# Allegro board LAY-38820_A.brd (continued)
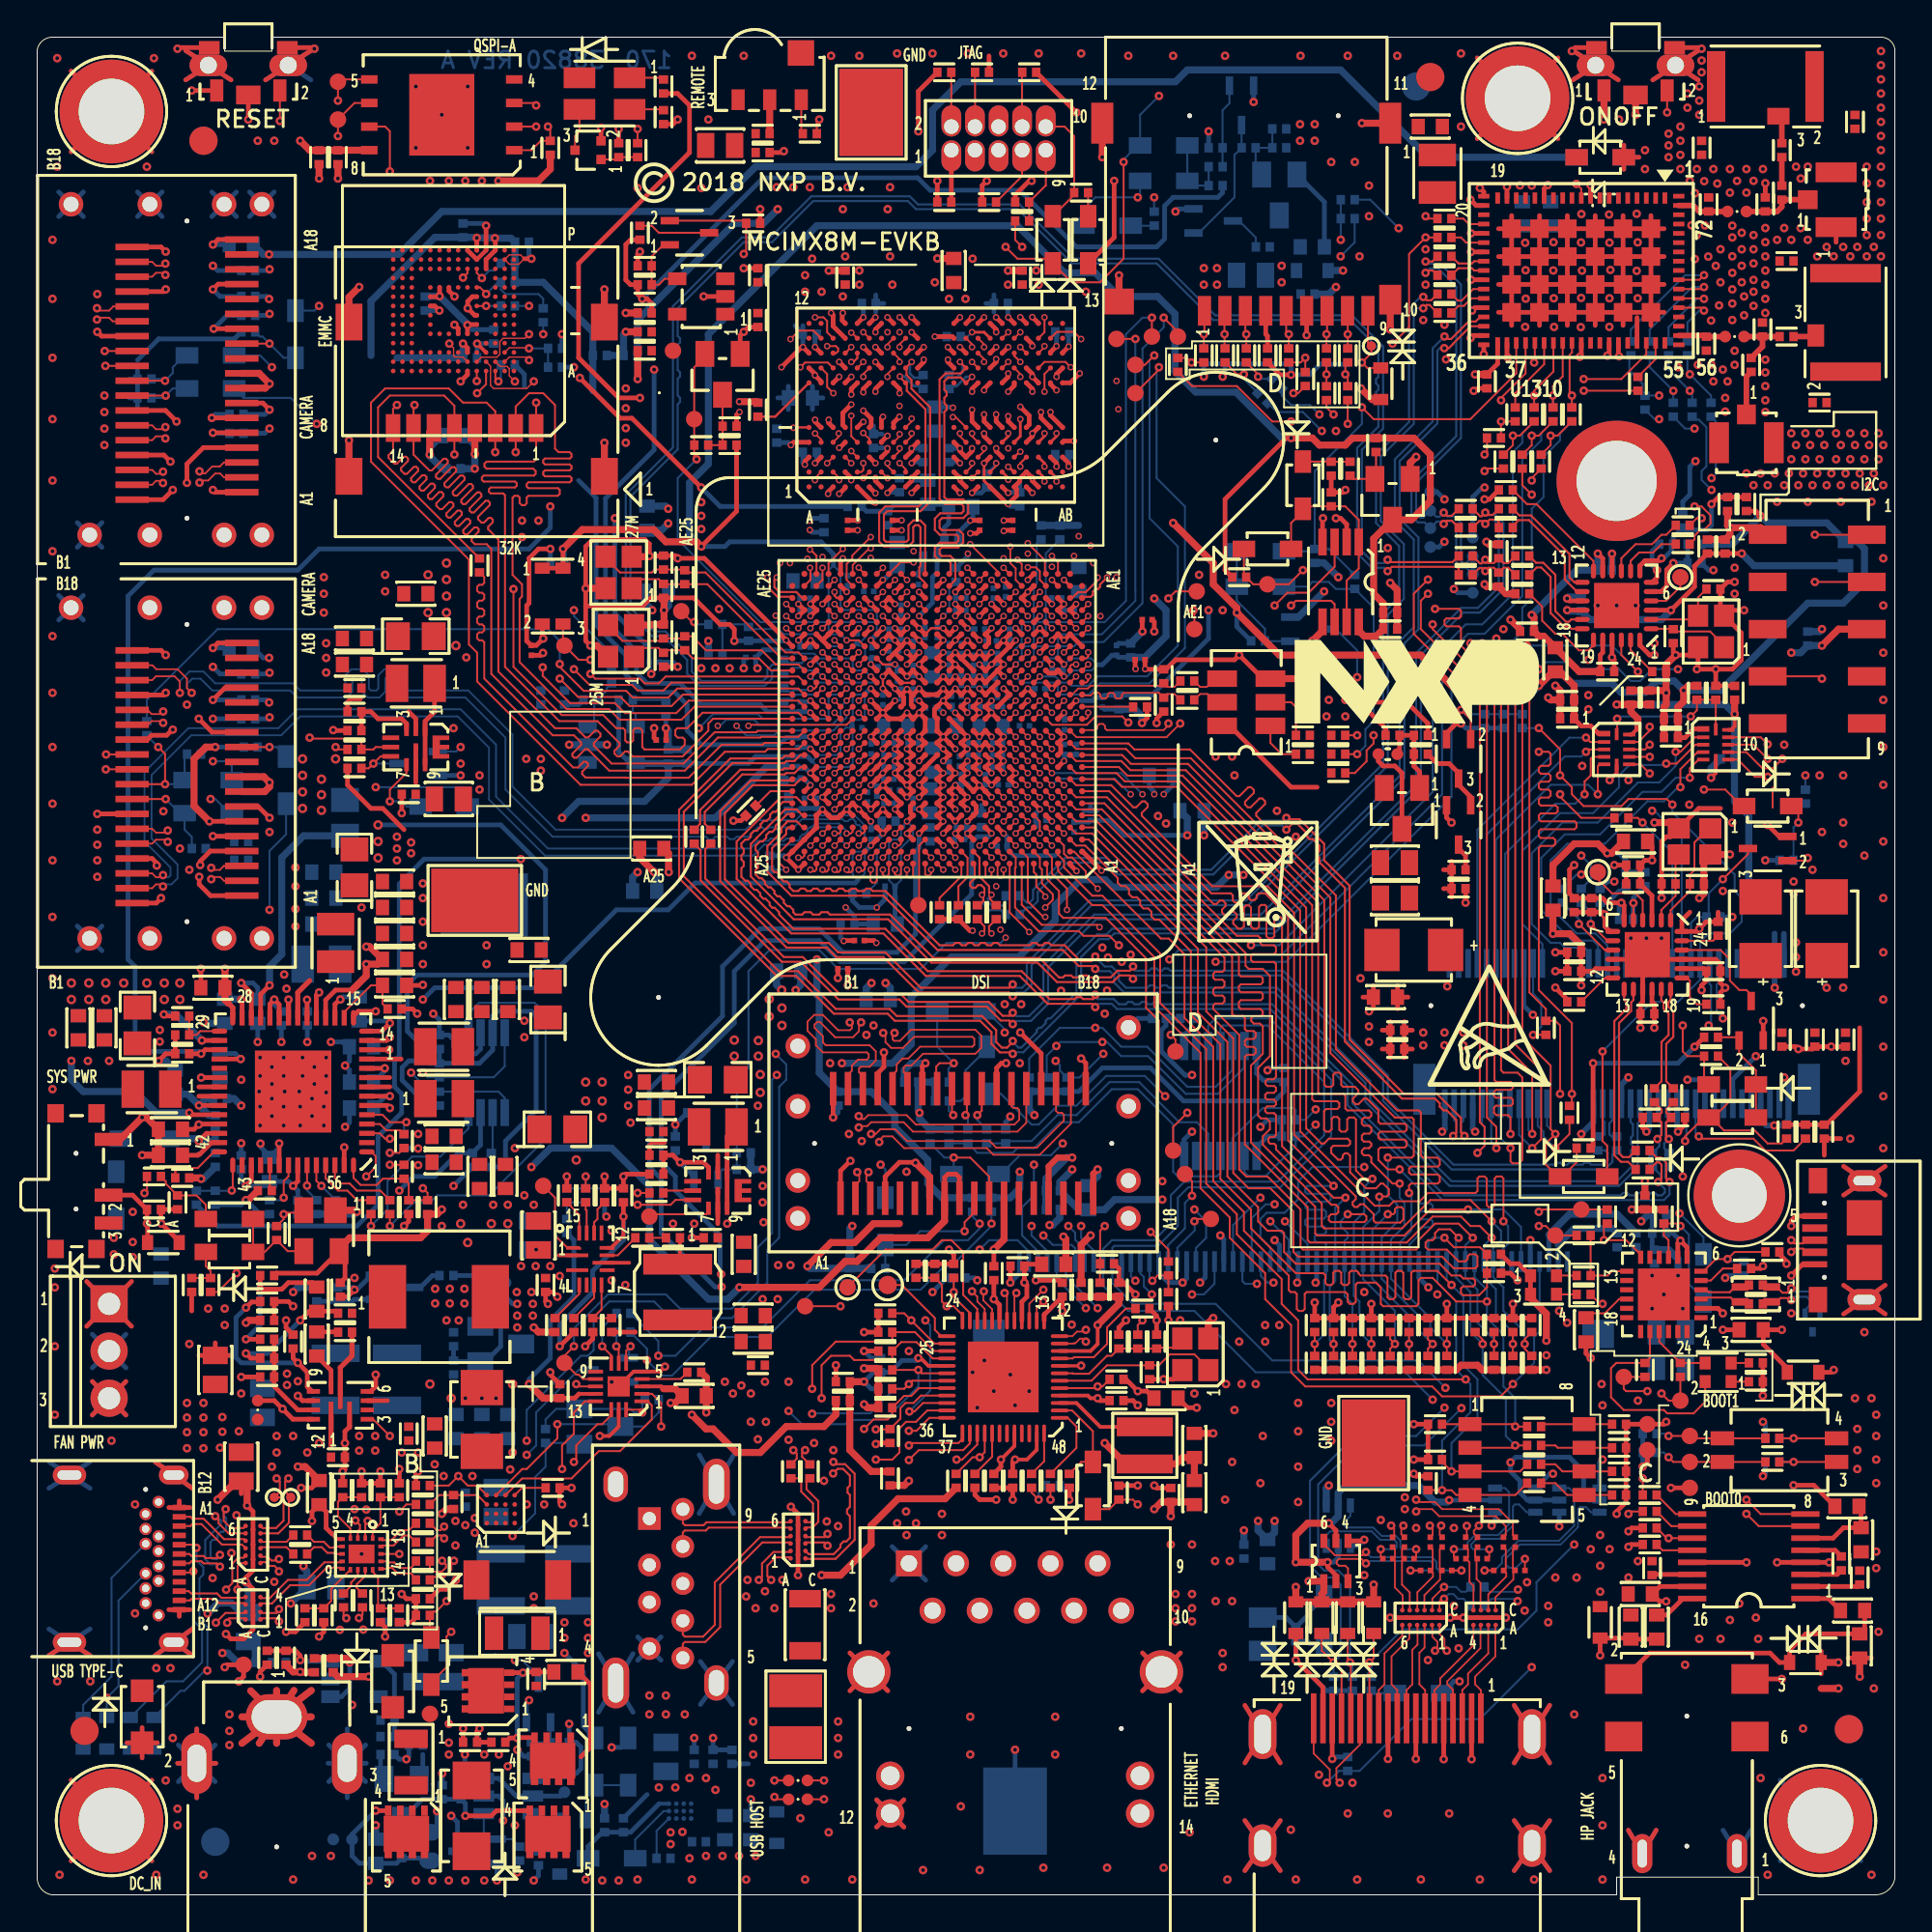
[diagram p0: board, top side]
## Routing (per net, layer and track width the routed paths; a pad name or vN(x,y) marks a point on that pad's centre or on a via; arc(x,y) is an arc through that point) (continued)
  BOTTOM w0.107: D1510.C 45.66,39.05 v1(45.4,39.31)
SPDIF_EXT_CLK: length 27.7
  TOP w0.107: R1802.2 60.9,34.73 v1(59.94,35.68) ; U101.E6 v2(53.32,57.78)
  L8_INT_3 w0.076: v2(53.32,57.78) 53.32,57.64 53.65,57.32 53.65,56.2 54.16,55.69 54.32,55.69 57.12,52.89 57.59,52.89 59.45,51.04 59.45,49.14 59.75,48.83 59.75,35.87 v1(59.94,35.68)
SPDIF_RX: length 32.1
  TOP w0.107: U101.G6 v2(53.32,59.08)
  L8_INT_3 w0.076: v2(53.32,59.08) 53.32,58.94 53.65,58.61 53.65,58.3 54.49,57.46 54.75,57.46 54.95,57.27 54.95,56.94 60.13,51.75 60.13,49.72 60.51,49.34 60.51,43.88 61.28,43.12 61.28,42.73 60.9,42.35 60.9,38.92 61.02,38.8 61.02,34.96 v1(59.12,33.06)
  BOTTOM w0.107: v1(59.12,33.06) 58.88,33.3 J1801.48
SPDIF_TX: length 35
  TOP w0.107: U101.F6 v2(53.32,58.43)
  L8_INT_3 w0.076: v1(60.01,32.32) 59.49,31.81 59,31.81 58.61,32.19 58.61,33.34 60.51,35.24 60.51,35.88 60.13,36.26 60.13,39.05 60.51,39.43 60.51,42.48 60.13,42.86 60.13,49.08 59.78,49.44 59.78,51.47 57.59,53.66 56.83,53.66 54.3,56.19 54.3,57.27 53.32,58.24 v2(53.32,58.43)
  BOTTOM w0.107: v1(60.01,32.32) 59.58,32.75 59.58,33.26 59.38,33.46 J1801.47
SSRXN1: length 9.4
  TOP w0.109: v1(9.62,14.65) 9.62,14.65 10.14,15.17 11.16,15.17 U903.A2
  L6_INT_2 w0.089: J901.B10 6.15,19.7 6.35,19.9 6.75,19.9 7.57,19.08 7.57,17.33 8.88,16.01 8.97,16.01 9.76,15.23 9.76,14.79 9.62,14.65 v1(9.62,14.65)
SSRXN2: length 3.7
  TOP w0.109: J901.A10 8.16,16.35 8.29,16.23 9.68,16.23 9.91,15.99 11.18,15.99 U903.A4
SSRXP1: length 9.4
  TOP w0.109: U903.A1 11.16,14.89 10.34,14.89 10.23,14.78 v1(10.23,14.65)
  L6_INT_2 w0.089: v1(10.23,14.65) 10.01,14.87 10.01,15.33 9.08,16.26 8.99,16.26 7.82,17.43 7.82,19.19 6.85,20.15 6.5,20.15 6.34,20.31 6.34,20.41 6.25,20.5 J901.B11
SSRXP2: length 3.7
  TOP w0.109: U903.A3 11.14,15.71 9.8,15.71 9.56,15.94 8.32,15.94 8.23,15.85 J901.A11
SSTXN1: length 4.2
  TOP w0.109: J901.A3 7.65,19.85 8.25,19.85 8.35,19.96 8.84,19.96 9.94,18.86 11.02,18.86 U902.A3
SSTXN2: length 7.2
  TOP w0.109: U902.A1 10.94,17.86 10.79,17.71 10.79,16.45 v1(10.78,16.44)
  L8_INT_3 w0.089: J901.B3 6.15,16.5 6.32,16.33 9.47,16.33 10,16.85 10.35,16.85 10.77,16.44 v1(10.78,16.44)
SSTXP1: length 4.1
  TOP w0.109: U902.A4 11.22,19.07 11.14,19.15 10.06,19.15 8.96,20.25 8.35,20.25 8.25,20.35 J901.A2
SSTXP2: length 7.2
  TOP w0.109: U902.A2 11.22,18.26 11.11,18.15 10.82,18.15 10.5,17.83 10.5,16.77 10.17,16.44 v1(10.17,16.43)
  L8_INT_3 w0.089: v1(10.17,16.43) 9.85,16.43 9.56,16.14 6.47,16.14 6.34,16.01 6.34,15.79 6.25,15.7 J901.B2
SYS_NRST: length 65.8
  TOP w0.107: v1(5.78,37.78) 5.91,37.91 R713.1 ; SW1702.2 v1(13.07,95.49)
  L6_INT_2 w0.076: v1(5.78,37.78) 6.29,38.28 6.29,43.88 7.05,44.64 7.05,46.72 6.79,46.98 6.62,46.98 6.39,47.21 6.39,49.62 5.14,50.86 5.14,62.55 4.63,63.05 4.63,76.77 5.27,77.41 5.27,81.09 10.86,86.68 10.86,87.95 13.52,90.61 13.52,95.03 v1(13.07,95.49)
TCPC_NINT: length 46
  TOP w0.107: U101.F21 v2(42.93,58.43) ; v1(28.89,29.53) 28.38,29.02 TP901.1 29.02,28 29.15,28 29.38,27.77 U907.10
  L6_INT_2 w0.076: v1(39.81,44.13) 39.69,44.13 39.18,44.64 38.62,44.64 38.34,44.92 38.34,46.62 38.16,46.8 38.16,55.31 40.91,58.05 42.54,58.05 v2(42.93,58.43)
  BOTTOM w0.107: v1(39.81,44.13) 39.56,43.88 39.56,35.62 38.8,34.86 38.8,32.96 37.4,31.56 34.61,31.56 33.84,32.32 30.73,32.32 28.89,30.49 v1(28.89,29.53)
TEST_MODE: length 7.3
  TOP w0.107: U101.V7 v2(52.67,66.88)
  BOTTOM w0.102: v2(52.67,66.88) 52.67,67.08 53,67.4 53,68.37 53.14,68.51 53.5,68.51 53.65,68.66 53.65,70.42 53.81,70.57 53.81,72.74 R417.1
UART1_RXD: length 46.5
  TOP w0.107: U101.C7 v2(52.67,56.48) ; v1(80.83,36) 81.22,36 TP1703.1 R1714.2
  L6_INT_2 w0.076: v1(80.83,36) 79.69,36 78.55,34.86 73.85,34.86 69.02,39.69 68.26,39.69 63.31,44.64 60.51,44.64 59.68,43.8 56.02,43.8 55.31,44.51 55.31,45.91 53.78,47.43 53.78,50.86 53,51.65 53,55.33 52.67,55.66 v2(52.67,56.48)
UART1_RXD_MCU: length 4.2
  TOP w0.107: R1714.1 R1707.1 84.54,33.34 84.77,33.57 U1701.13
UART1_TXD: length 45.1
  TOP w0.107: U101.A7 52.35,52.88 v2(53.4,51.83) ; v1(80.83,36.77) 80.96,36.89 TP1702.1 84.51,36.89 R1715.2
  L6_INT_2 w0.076: v2(53.4,51.83) 54.16,51.07 54.16,47.69 55.69,46.16 55.69,44.77 56.35,44.11 59.47,44.11 60.39,45.02 63.56,45.02 68.39,40.19 72.83,40.19 75.63,37.4 80.2,37.4 v1(80.83,36.77)
UART1_TXD_MCU: length 7.7
  TOP w0.107: R1708.1 84.13,31.81 v1(84.26,31.81) ; R1715.1 84.34,35.96 v1(84.34,35.24) 85.53,35.24 86.32,34.46 U1701.12
  L6_INT_2 w0.076: v1(84.34,35.24) 84.34,31.89 v1(84.26,31.81)
UART2_RXD: length 57.9
  TOP w0.107: U101.B6 53.33,55.83 53.33,53.48 54.16,52.64 v2(54.27,52.64) ; R1712.2 TP1706.1 87.82,26.61 v1(87.44,26.99)
  L6_INT_2 w0.076: v1(87.44,26.99) 87.44,27.11 83.76,30.8 83.76,37.15 82.49,38.42 76.14,38.42 73.6,40.96 68.64,40.96 63.82,45.78 60.26,45.78 59.24,44.77 57.21,44.77 56.96,45.02 56.96,45.53 56.5,45.99 56.5,47.26 55.69,48.07 55.69,51.22 v2(54.27,52.64)
UART2_RXD_CPU: length 3.5
  TOP w0.107: D1702.4 88.46,28.63 R1712.1 87.32,29.77 U1701.21
UART2_TXD: length 59.6
  TOP w0.107: v1(86.68,27.11) 85.53,27.11 85.41,27.24 TP1705.1 85.41,27.88 R1713.2 ; U101.D6 v2(52.67,57.13)
  L6_INT_2 w0.076: v1(86.68,27.11) 83.25,30.54 83.25,37.02 82.36,37.91 75.75,37.91 73.09,40.58 68.52,40.58 63.69,45.4 60.39,45.4 59.42,44.44 56.91,44.44 56.63,44.72 56.63,45.35 56.07,45.91 56.07,46.29 54.55,47.81 54.55,51.24 53.4,52.39 53.4,55.56 53,55.97 53,56.6 53,56.6 53,56.62 52.67,56.94 v2(52.67,57.13)
UART2_TXD_CPU: length 12.1
  TOP w0.107: D1702.2 89.79,26.54 89.17,25.92 87.74,25.92 87.57,26.1 85.41,26.1 84.72,26.78 84.72,28.35 85,28.63 R1713.1 86.82,28.9 U1701.20
UART3_CTS: length 73.5
  TOP w0.107: U101.B4 54.63,55.83 54.63,54.97 55.43,54.16 v2(55.43,53.02)
  L6_INT_2 w0.076: v2(55.43,53.02) 56.2,52.26 56.2,49.72 56.7,49.21 58.1,49.21 58.48,48.83 63.94,48.83 66.19,51.07 72.41,51.07 77.86,56.53 84.95,56.53 85.28,56.2 87.82,56.2 91.25,59.63 91.25,62.8 90.87,63.18 90.87,66.36 90.23,66.99 90.23,70.67 90.87,71.31 90.87,72.71 90.61,72.96 90.61,76.39 90.11,76.9 90.11,77.43 88.71,78.83 88.71,80.71 v1(88.96,80.96)
  BOTTOM w0.107: R1313.1 87.82,82.1 v1(88.96,80.96) 89.09,80.83 R1448.2
UART3_RTS: length 68.9
  TOP w0.107: U101.D4 v2(54.62,57.13)
  L6_INT_2 w0.076: v1(83.5,63.82) 83.12,63.44 80.58,63.44 78.04,60.9 74.36,60.9 69.15,55.69 66.36,55.69 65.85,56.2 59.24,56.2 58.36,57.09 55.69,57.09 55.38,56.78 54.98,56.78 v2(54.62,57.13)
  L8_INT_3 w0.076: v1(83.5,63.82) 84.01,64.32 84.01,66.86 81.85,69.02 81.85,69.79 79.31,72.33 77.79,72.33 77.02,73.09 77.02,78.29 78.76,80.03 87.78,80.03 88.51,80.76 88.51,81.39 v1(88.96,81.85)
  BOTTOM w0.107: R1312.1 88.84,81.98 v1(88.96,81.85) 90.11,80.71 R1449.2
UART3_RXD: length 68.3
  TOP w0.107: v2(57.19,52.09) 57.06,52.22 54.08,52.22 53,53.3 U101.A6
  L6_INT_2 w0.076: v2(57.19,52.09) 71.77,52.09 77.05,57.37 85.76,57.37 85.91,57.21 87.57,57.21 88.45,58.1 88.45,58.86 89.47,59.88 89.47,64.83 88.84,65.47 88.84,68.44 89.22,68.82 89.22,73.72 88.79,74.15 88.79,77.81 87.82,78.78 87.82,80.2 v1(87.31,80.71)
  BOTTOM w0.107: v1(87.31,80.71) 86.56,80.71 R1447.2 86.42,80.83 86.42,81.34 85.71,82.05 85.71,82.8 R1315.1
UART3_TXD: length 71.5
  TOP w0.107: U101.B7 52.68,55.83 52.68,55.31 52.64,55.27 52.64,53.15 53.91,51.88 56.07,51.88 56.32,51.62 57.72,51.62 v1(58.23,51.12)
  L6_INT_2 w0.076: v1(58.23,51.12) 58.77,51.66 72.23,51.66 77.53,56.96 85.15,56.96 85.41,56.7 87.69,56.7 90.61,59.63 90.61,62.55 90.23,62.93 90.23,65.34 89.85,65.72 89.85,68.64 89.72,68.77 89.72,72.07 90.11,72.45 90.11,74.23 89.7,74.64 89.7,77.38 88.33,78.75 88.33,80.71 v1(88.07,80.96)
  BOTTOM w0.107: R1446.2 v1(88.07,80.96) 86.8,82.23 R1314.1
USB1_DN: length 66.1
  TOP w0.109: U101.B14 v2(48.12,55.83) ; U902.C5 12.98,19.46 13.55,20.03 13.55,21.3 TP1708.1 13.35,21.7 13.35,22.24 v1(13.52,22.41)
  L8_INT_3 w0.089: v1(13.52,22.41) 13.52,23.43 16.32,26.22 16.32,28.64 20.76,33.08 27.02,33.08 27.47,32.63 28.82,32.63 29.91,33.72 34.61,33.72 36,35.11 41.46,35.11 42.35,36 42.35,36.64 43.75,38.04 45.25,38.04 47.43,40.22 47.43,41.46 47.05,41.85 47.05,42.35 48.58,43.88 48.58,44.89 49.34,45.66 49.34,50.45 48.45,51.34 48.45,55.51 v2(48.12,55.83)
USB1_DP: length 66.1
  TOP w0.102: v2(48.12,55.18) 48.12,54.97 48.03,54.88 47.87,54.88 47.8,54.95 U101.A14
  TOP w0.109: U902.C6 12.13,19.75 12.86,19.75 13.26,20.15 13.26,21.19 13.05,21.4 TP1707.1 13.06,21.7 13.06,22.24 v1(12.89,22.41)
  L8_INT_3 w0.089: v2(48.12,55.18) 48.2,55.11 48.2,51.24 49.09,50.35 49.09,45.76 48.33,45 48.33,43.98 46.8,42.46 46.8,41.74 47.19,41.36 47.19,40.32 45.15,38.28 43.65,38.28 42.11,36.74 42.11,36.11 41.36,35.36 35.9,35.36 34.5,33.97 29.8,33.97 28.72,32.88 27.57,32.88 27.12,33.33 20.66,33.33 16.07,28.74 16.07,26.33 13.28,23.53 13.28,22.8 v1(12.89,22.41)
USB1_ID: length 3.7
  TOP w0.107: U101.C14 47.47,56.48 47.47,53.32 TP501.1
USB1_RXN: length 58.2
  TOP w0.109: v1(21.91,19.19) 21.75,19.35 21.5,19.35 C920.1 ; U101.B12 v2(49.42,55.83)
  L8_INT_3 w0.089: v1(21.91,19.19) 21.95,19.23 22.69,19.23 23.76,18.16 24.74,18.16 25.06,18.48 25.06,19.39 25.46,19.79 25.46,20.76 29.91,25.21 32.93,25.21 33.44,25.72 34.48,25.72 36.89,28.13 37.91,28.13 48.86,39.08 48.86,42.25 49.17,42.56 50.63,42.56 50.86,42.8 50.86,50.74 49.79,51.81 49.79,52.76 50.13,53.11 50.13,55.51 49.81,55.83 v2(49.42,55.83)
USB1_RXP: length 58.1
  TOP w0.102: U101.A12 v2(49.42,55.18)
  TOP w0.109: v1(21.91,19.82) 21.72,19.63 21.51,19.63 C919.1
  L8_INT_3 w0.089: v2(49.42,55.18) 49.42,55.44 49.52,55.53 49.76,55.53 49.89,55.41 49.89,54.92 49.72,54.76 49.72,54.56 49.89,54.4 49.89,54.21 49.72,54.04 49.72,53.85 49.89,53.69 49.89,53.21 49.54,52.86 49.54,51.71 50.61,50.63 50.61,42.9 50.53,42.81 49.06,42.81 48.61,42.36 48.61,39.18 37.81,28.38 36.79,28.38 34.38,25.97 33.33,25.97 32.82,25.46 29.8,25.46 25.21,20.87 25.21,19.89 24.81,19.49 24.81,18.58 24.64,18.41 23.87,18.41 22.8,19.48 22.22,19.48 21.91,19.79 v1(21.91,19.82)
USB1_SS_SEL: length 68
  TOP w0.107: D901.C 21.22,11.44 22.03,12.25 22.03,13.91 v1(22.29,14.16) ; U101.K19 v2(44.23,61.03)
  L6_INT_2 w0.076: v1(22.29,14.16) 24.7,16.57 24.7,20.26 26.81,22.36 26.81,23.99 v1(26.35,24.45) ; v2(44.23,61.03) 44.55,60.71 44.55,59.6 44.36,59.41 44.09,59.41 43.9,59.22 43.9,58.25 43.14,57.49 41.51,57.49 38.92,54.91 38.92,47.05 39.76,46.22 v1(39.76,45.27)
  BOTTOM w0.107: v1(26.35,24.45) 26.35,26.1 29.27,29.02 29.65,29.02 29.96,29.32 29.96,31.1 30.8,31.94 33.21,31.94 34.1,31.05 37.4,31.05 39.31,32.96 39.31,34.73 39.94,35.37 39.94,43.5 40.32,43.88 40.32,44.7 v1(39.76,45.27)
USB1_TXN: length 58.2
  TOP w0.109: C918.1 21.3,17.11 21.91,17.11 22.29,17.5 22.29,17.84 v1(22.43,17.98) ; U101.B13 v2(48.77,55.83)
  L8_INT_3 w0.089: v1(22.43,17.98) 22.27,18.15 22.27,18.43 21.97,18.73 21.63,18.73 21.34,19.02 21.34,20.7 21.79,21.15 24.83,21.15 29.65,25.97 31.69,25.97 32.7,26.99 34.48,26.99 37.53,30.03 38.9,30.03 48.19,39.33 48.19,42.48 50.1,44.39 50.1,50.61 49.1,51.61 49.1,55.51 v2(48.77,55.83)
USB1_TXP: length 58.1
  TOP w0.102: U101.A13 v2(48.77,55.18)
  TOP w0.109: C917.1 21.14,17.51 21.25,17.4 21.79,17.4 22.01,17.62 22.01,17.77 v1(21.8,17.98)
  L8_INT_3 w0.089: v2(48.77,55.18) 48.85,55.11 48.85,54.81 48.72,54.68 48.72,54.45 48.85,54.32 48.85,54.1 48.72,53.96 48.72,53.74 48.85,53.61 48.85,53.39 48.72,53.25 48.72,53.03 48.85,52.9 48.85,52.68 48.72,52.54 48.72,52.32 48.85,52.19 48.85,51.95 48.72,51.81 48.72,51.64 49.85,50.51 49.85,44.49 47.94,42.58 47.94,39.43 38.79,30.28 37.42,30.28 34.38,27.24 32.6,27.24 31.58,26.22 29.55,26.22 24.73,21.4 21.68,21.4 21.09,20.81 21.09,18.92 21.53,18.48 21.86,18.48 22.02,18.33 22.02,18.08 21.92,17.98 v1(21.8,17.98)
USB1_VBUS: length 78.1
  TOP w0.254: U101.D14 v2(47.48,57.13)
  TOP w0.381: R939.1 R934.2 16.6,12.73 v1(16.83,12.51)
  L8_INT_3 w0.254: v1(36.84,32.73) 36.84,30.62 34.1,27.88 32.45,27.88 31.3,26.73 29.02,26.73 28.13,25.84 26.35,25.84 24.7,24.19 24.7,22.8 23.94,22.03 21.4,22.03 20.51,21.14 20.51,13.91 19.75,13.14 17.84,13.14 17.21,12.51 v1(16.83,12.51)
  BOTTOM w0.254: v1(36.84,32.73) 36.49,32.73 33.59,35.62 33.59,38.54 32.96,39.18 32.96,43.37 36.89,47.31 36.89,49.97 38.92,52.01 42.1,52.01 43.37,50.74 46.29,50.74 47.28,51.73 47.28,56.17 47.48,56.37 v2(47.48,57.13) ; v1(16.83,12.51) 16.83,11.11 16.38,10.67 U909.1
USB2_DN: length 5.4
  TOP w0.114: R926.1 51.3,53.6 51.3,53.76 v2(51.37,53.83) 51.24,53.96 51.24,54.29 50.72,54.81 50.72,55.83 U101.B10
  BOTTOM w0.114: R1417.1 52.14,53.37 52.02,53.25 51.39,53.25 51.17,53.47 51.17,53.64 v2(51.37,53.83)
USB2_DP: length 5.4
  TOP w0.114: R927.1 50.7,53.27 50.94,53.5 50.94,53.76 v2(50.86,53.83) 50.99,53.96 50.99,54.19 50.82,54.35 50.64,54.35 50.5,54.21 50.34,54.21 50.23,54.32 50.23,54.48 50.47,54.72 50.47,55.44 U101.A10
  BOTTOM w0.114: R1418.1 51.91,53 51.29,53 50.92,53.37 50.92,53.78 v2(50.86,53.83)
USB2_ID: length 34.2
  TOP w0.107: TP502.1 v1(43.24,31.69) ; U101.C9 v2(50.72,56.48)
  L6_INT_2 w0.076: v1(52.89,44.77) 52.39,44.26 52.01,44.26 49.59,46.67 49.59,52.26 50.44,53.11 50.44,53.95 50.72,54.23 v2(50.72,56.48)
  L8_INT_3 w0.076: v1(52.89,44.77) 52.89,43.37 51.96,42.43 51.96,40.91 50.99,39.94 50.99,39.43 v1(43.24,31.69)
USB2_RXN: length 46.3
  TOP w0.109: U908.C3 41.41,18.97 42.37,18.97 v1(42.54,18.8) ; U101.B8 v2(52.02,55.83)
  L8_INT_3 w0.089: v1(42.54,18.8) 42.68,18.94 43.42,18.94 43.87,19.39 43.87,30.28 50.18,36.59 52.31,36.59 54.39,38.67 54.39,51.88 53.65,52.62 53.65,53.54 53.02,54.16 53.02,54.77 52.02,55.77 v2(52.02,55.83)
USB2_RXP: length 46.3
  TOP w0.102: U101.A8 51.7,54.82 51.77,54.75 51.93,54.75 52.02,54.84 v2(52.02,55.18)
  TOP w0.109: v1(42.54,19.43) 42.37,19.26 41.41,19.26 U908.C4
  L8_INT_3 w0.089: v2(52.02,55.18) 52.26,55.18 52.77,54.67 52.77,54.06 53.4,53.43 53.4,52.51 54.14,51.78 54.14,38.77 52.2,36.84 50.07,36.84 43.62,30.39 43.62,19.49 43.31,19.18 42.79,19.18 v1(42.54,19.43)
USB2_TXN: length 40
  TOP w0.109: U101.B9 v2(51.37,55.83) ; C921.1 41.18,23.59 41.18,23.78 v1(41.34,23.94)
  L8_INT_3 w0.089: v2(51.37,55.83) 51.37,55.69 51.7,55.36 51.7,55.03 52.26,54.47 52.26,53.78 53,53.05 53,50.74 53.71,50.03 53.71,43.04 53.15,42.48 53.15,40.99 51.87,39.71 51.87,38.67 50.48,37.27 49.85,37.27 41.14,28.57 41.14,24.13 v1(41.34,23.94)
USB2_TXP: length 40.1
  TOP w0.102: U101.A9 51.05,54.87 51.12,54.8 51.28,54.8 51.37,54.9 v2(51.37,55.18)
  TOP w0.109: C922.1 40.89,23.48 40.89,23.75 v1(40.7,23.94)
  L8_INT_3 w0.089: v1(40.7,23.94) 40.9,24.13 40.9,28.68 49.74,37.52 50.38,37.52 51.62,38.77 51.62,39.81 52.9,41.09 52.9,42.58 53.46,43.14 53.46,49.93 52.75,50.64 52.75,52.94 52.01,53.68 52.01,54.37 51.45,54.93 51.45,55.11 v2(51.37,55.18)
USB2_VBUS: length 89.6
  TOP w0.254: U101.D9 v2(51.37,57.13)
  L6_INT_2 w0.254: v1(36.38,8.44) 35.75,9.08 32.45,9.08 31.81,9.71 30.03,9.71 28.38,11.37 25.84,11.37 24.32,12.89 22.41,12.89 21.34,13.97 21.34,15.49 18.73,18.1 18.73,20.76 20,22.03 21.37,22.03 v1(21.88,22.54)
  L8_INT_3 w0.254: v1(21.88,22.54) 21.88,22.77 23.18,24.07 23.18,24.19 25.84,26.86 27.62,26.86 28.89,28.13 31.3,28.13 36.59,33.41 v1(36.82,33.41)
  BOTTOM w0.254: v2(51.37,57.13) 51.2,56.96 50.61,56.96 50.3,56.65 50.3,53.86 46.67,50.23 43.24,50.23 42.1,51.37 39.18,51.37 37.53,49.72 37.53,46.93 33.59,42.99 33.59,39.43 34.35,38.67 34.35,37.91 36.77,35.5 36.77,33.46 v1(36.82,33.41) ; R938.2 R921.2 v1(36.38,8.44)
USB_DBG_DM: length 2.8
  TOP w0.109: R1706.2 91.78,32.83 L1703.2 91.4,32.72 91.11,32.44 89.99,32.44 89.86,32.57 U1701.4
USB_DBG_DM_CN: length 10.3
  TOP w0.109: v1(94.42,32.65) 94.19,32.41 93.95,32.41 93.64,32.72 L1703.1 93.26,32.83 R1706.1 ; J1701.2 95.25,34.59 95.06,34.78 94.6,34.78 v1(94.42,34.61)
  L8_INT_3 w0.089: v1(94.42,34.61) 94.04,34.99 93.89,34.99 93.63,34.73 93.63,34.51 93.74,34.4 93.74,34.21 93.63,34.1 93.63,33.72 93.74,33.61 93.74,33.41 93.63,33.31 93.63,32.99 93.74,32.88 93.74,32.72 93.63,32.61 93.63,32.45 93.82,32.27 94.04,32.27 v1(94.42,32.65)
  BOTTOM w0.109: D1701.2 95.97,31.46 95.71,31.72 95.71,32.14 95.37,32.48 94.59,32.48 v1(94.42,32.65)
USB_DBG_DP: length 2.8
  TOP w0.109: R1701.2 91.78,31.81 L1703.3 91.4,31.92 91.16,32.15 89.94,32.15 89.86,32.07 U1701.3
USB_DBG_DP_CN: length 10
  TOP w0.109: J1701.3 95.22,35.24 95.05,35.07 94.6,35.07 v1(94.42,35.24) ; v1(94.42,32.02) 94.31,32.13 93.85,32.13 93.64,31.92 L1703.4 93.26,31.81 R1701.1
  L8_INT_3 w0.089: v1(94.42,35.24) 93.79,35.24 93.38,34.84 93.38,32.35 93.71,32.02 v1(94.42,32.02)
  BOTTOM w0.109: v1(94.42,32.02) 94.6,32.19 95.25,32.19 95.42,32.02 95.42,31.75 95.17,31.49 D1701.1
USB_DN: length 15.9
  TOP w0.109: v1(9.84,17.67) 9.66,17.84 8.95,17.84 8.84,17.96 8.3,17.96 8.2,17.85 J901.A7 ; U902.A5 10.31,19.46 9.76,20.01 9.76,20.21 v1(9.59,20.38)
  L8_INT_3 w0.089: v1(9.84,17.67) 10.93,17.67 11.24,17.97 11.24,18.73 10.86,19.11 9.21,19.11 8.96,19.36 7.85,19.36 6.99,18.5 J901.B7
  BOTTOM w0.109: v1(9.59,20.38) 9.67,20.38 9.85,20.2 9.89,20.16 9.89,19.94 9.05,19.11 9.05,18.07 9.32,17.79 9.71,17.79 v1(9.84,17.67)
USB_DP: length 15.9
  TOP w0.109: v1(9.84,18.3) 9.67,18.13 9.07,18.13 8.96,18.24 8.3,18.24 8.19,18.35 J901.A6 ; v1(10.15,20.76) 10.04,20.66 10.05,20.33 10.05,20.13 10.43,19.75 11.11,19.75 U902.A6
  L8_INT_3 w0.089: J901.B6 7.07,18.22 7.18,18.22 7.31,18.36 7.31,18.47 7.48,18.64 7.7,18.64 7.78,18.72 7.78,18.94 7.95,19.11 8.85,19.11 9.24,18.73 9.42,18.73 9.55,18.86 9.79,18.86 9.92,18.73 10.06,18.73 10.18,18.86 10.76,18.86 10.99,18.63 10.99,18.07 10.83,17.91 10.23,17.91 v1(9.84,18.3)
  BOTTOM w0.109: v1(9.84,18.3) 9.84,18.23 9.69,18.08 9.44,18.08 9.33,18.19 9.33,18.99 9.46,19.11 9.59,19.11 9.71,19.24 9.71,19.37 9.89,19.54 10.02,19.54 10.17,19.7 10.17,20.28 10.02,20.43 10.02,20.48 10.02,20.64 v1(10.15,20.76)
USB_HOST_DN: length 10.7
  TOP w0.109: v1(39.51,16.95) 39.31,17.16 39.31,17.72 39.76,18.17 40.5,18.17 U908.A1
  L8_INT_3 w0.089: v1(39.51,16.95) 39.28,17.18 39.28,17.49 38.93,17.84 34.25,17.84 33.26,16.85 33.04,16.85 32.96,16.94 J903.2
USB_HOST_DP: length 10.6
  TOP w0.109: U908.A2 40.5,18.46 39.64,18.46 39.02,17.84 39.02,17.12 v1(38.85,16.95)
  L8_INT_3 w0.089: v1(38.85,16.95) 39.03,17.14 39.03,17.38 38.83,17.59 34.35,17.59 33.37,16.6 33.09,16.6 32.96,16.47 J903.3
USB_HOST_RXN: length 10.2
  TOP w0.109: U908.A3 40.5,18.97 39.04,18.97 36.77,16.7 36.77,14.41 35.96,13.61 34.87,13.61 34.76,13.5 J903.5
USB_HOST_RXP: length 10.2
  TOP w0.109: U908.A4 40.5,19.26 38.92,19.26 36.48,16.82 36.48,14.53 35.85,13.9 34.87,13.9 34.76,14.01 J903.6
USB_HOST_TXN: length 6.7
  TOP w0.109: J903.8 34.76,19.5 34.87,19.61 36,19.61 36.15,19.77 40.5,19.77 U908.A5
USB_HOST_TXP: length 6.7
  TOP w0.109: J903.9 34.76,20.01 34.87,19.9 35.88,19.9 36.03,20.06 40.5,20.06 U908.A6
USB_HOST_VBUS:
  vias: v1(36,2.09) v1(36.89,2.09) v1(37.78,2.09) v1(38.67,2.09)
USB_LD_NFLT: length 13.4
  TOP w0.107: R920.2 22.16,22.03 v1(22.67,22.54) 23.18,22.03 23.68,22.03 U906.A4 ; v1(29.02,27.49) 29.15,27.37 U907.11
  L8_INT_3 w0.076: v1(22.67,22.54) 22.67,22.92 26.1,26.35 27.88,26.35 v1(29.02,27.49)
USB_VBUS: length 16.8
  TOP w0.203: U907.15 31.3,25.21 30.8,24.7 v1(30.29,24.7)
  TOP w0.254: R903.1 12,12.01 v1(12,11.75) ; v1(10.86,11.49) 11.11,11.75 TP1709.1 10.22,12.38 v1(10.1,12.25)
  L8_INT_3 w0.254: v1(30.29,24.7) 29.57,23.98 29.57,20.7 v1(28.87,20)
  BOTTOM w0.254: v1(28.38,13.02) 29.4,12 29.4,9.08 D903.A
  BOTTOM w0.381: C903.1 11.74,13.26 C926.1
  vias: v1(26.73,16.06) v1(26.73,15.43) v1(28.38,14.67) v1(28.38,13.83)
VCAM_1V5: length 0.9
  TOP w0.254: v1(20.46,47.43) 20.21,47.69 R725.2
VCAM_2V8: length 2.3
  TOP w0.254: C759.1 8.65,39.81 8.7,39.86 8.75,39.86 9.38,40.49 U702.41
VPCIE_3V3: length 49.1
  TOP w0.203: 86.17,62.8 85.83,62.46 U1402.11 ; U1403.11 91.17,62.71 91.38,62.92 v1(91.38,63.56)
  TOP w0.254: 73.23,47.7 C1416.1 ; C1416.1 73.23,48.95 ; C1416.1 73.79,48.32 ; 76.14,53.71 C1440.1 ; C1440.1 76.14,54.62 ; C1440.1 75.71,54.16 ; 98.11,46.67 98.11,43.24 96.32,41.46 C1410.1 R1416.1 R1415.1 ; C1412.1 73.59,45.99 ; C1412.1 74.02,45.53 ; C1412.1 73.59,45.07 ; C1414.1 73.59,47 ; C1414.1 74.02,46.54 ; C1414.1 73.59,46.09 ; C1442.1 72.2,61.02 72.45,60.77 73.09,60.77 73.47,60.39 Q1402.3 ; 76.14,54.72 R1462.1 ; R1462.1 76.14,55.64 ; R1462.1 75.71,55.18
  TOP w0.381: 86.17,62.8 86.17,63.31 85.79,63.69 C1433.1 ; C1433.1 v1(85.03,64.08) ; C1433.1 C1434.1 ; C1437.1 v1(91.38,63.56)
  BOTTOM w0.254: R1437.1 v1(91.25,52.64)
  BOTTOM w0.305: J1401.74 94.03,51.73 ; 93.53,51.74 J1401.72 93.53,48.84 v1(93.53,48.83)
  BOTTOM w0.381: 93.66,53.02 92.14,54.55 92.14,58.1 91.37,58.87 C1438.1 91.38,61.16 v1(91.38,63.56) 90.87,64.07 85.41,64.07 85.4,64.08 v1(85.03,64.08)
  vias: v1(74.61,46.42) v1(74.61,45.73) v1(75.75,46.42) v1(75.75,45.73) v1(75.91,48.91) v1(76.77,46.42) v1(76.77,45.73) v1(94.68,51.27) v1(94.68,50.48) v1(94.68,49.69) v1(96.33,48.83) v1(97.22,48.83)
VREF_1V2: length 4.8
  BOTTOM w0.254: C934.1 28.18,5.32 U910.5 25.79,5.32 24.84,6.27 U910.3
VREFDDR: length 79.9
  TOP w0.254: U702.31 9.04,45.49 v1(8.83,45.27) C768.1 ; v1(35.75,75.75) 32.02,79.49 31.38,79.49 v1(29.21,81.66)
  L6_INT_2 w0.254: v1(27.62,74.74) 27.88,74.99 27.88,80.33 v1(29.21,81.66)
  BOTTOM w0.254: R215.2 36.77,74.74 v1(35.75,75.75) ; v1(27.62,74.74) 27.62,73.6 26.48,72.45 15.18,72.45 14.03,71.31 6.29,71.31 4.89,69.91 4.89,50.35 5.27,49.97 5.27,46.04 5.9,45.4 8.7,45.4 v1(8.83,45.27)
VSD_3V3: length 2.1
  TOP w0.254: J1601.4 66.14,84.01 66.23,83.92 C1605.1
  vias: v1(66.99,87.69) v1(66.99,86.8)
VSYS: length 2.6
  TOP w0.203: U706.2 28.08,34.43
  TOP w0.279: U701.1 15.82,24.2
  vias: v1(8.06,26.48) v1(8.06,25.69) v1(8.06,24.9) v1(8.06,24.04) v1(8.95,26.48) v1(8.95,25.69) v1(8.95,24.9) v1(8.95,24.04) v1(9.84,24.07) v1(9.97,25.72) v1(9.97,24.93) v1(10.86,24.95) v1(12.89,24.7) v1(12.89,23.81) v1(13.78,24.7) v1(14.54,23.81) v1(15.18,24.32) v1(26.05,33.84) v1(26.83,33.84) v1(26.86,34.73) v1(27.62,33.84) v1(46.29,20) v1(46.77,20.64) v1(46.8,19.37) v1(47.31,20) v1(48.7,20.51) v1(48.7,19.37) v1(61.28,16.19) v1(61.28,15.43) v1(61.28,14.72) v1(62.17,16.19) v1(62.17,15.43) v1(62.17,14.72) v1(81.34,15.56) v1(81.34,14.67) v1(83.63,18.6) v1(84.14,19.37) v1(84.14,17.72) v1(84.64,18.6)
VSYS_IN: length 8.2
  TOP w0.254: C935.1 29.78,11.33 29.78,7.94 29.27,7.43
  BOTTOM w0.254: 20.76,7.56 20.76,6.43 Q902.2 ; v1(23.02,7.56) 23.02,6.1 R944.1
  vias: v1(22.16,9.21) v1(22.16,8.19) v1(22.16,7.56) v1(24.07,7.56) v1(24.85,7.56) v1(25.34,6.92)
VUSB_REG_3V45: length 4.8
  TOP w0.107: C1705.1 91.38,34.61 v1(90.99,34.23) 90.36,34.23 89.7,33.57 U1701.6
  BOTTOM w0.107: C1706.1 91.39,34.09 91.38,34.1 91.12,34.1 v1(90.99,34.23)
W_NDIS2: length 16.3
  TOP w0.107: v1(94.8,57.72) 94.8,58.23 D1403.C ; v1(90.74,54.67) 92.09,56.03 Q1405.3
  L6_INT_2 w0.076: v1(90.74,54.67) 92.65,56.58 93.66,56.58 v1(94.8,57.72)
  BOTTOM w0.107: J1401.54 89.03,52.32 89.34,52.64 R1437.2 89.98,52.76 89.98,53.91 v1(90.74,54.67) ; R1463.2 94.54,57.46 v1(94.8,57.72)
WIFI_PCIE_CLKN: length 27.4
  TOP w0.114: R1334.2 79.19,71.44 78.94,71.44 R1341.1 78.42,71.44 78.13,71.44 v1(77.95,71.26) 77.8,71.42 77.63,71.42 C1314.2 ; C1302.1 75.13,87.44 74.87,87.44 v1(74.74,87.31) ; v1(75.71,73.8) 75.89,73.97 76.15,73.97 R1339.2
  BOTTOM w0.114: v1(74.74,87.31) 74.98,87.56 75.41,87.56 76.39,86.58 76.39,78.53 73.98,76.11 73.98,74.23 74.33,73.88 74.68,73.88 R1324.1 75.35,73.93 75.59,73.93 v1(75.71,73.8) 75.87,73.95 76.18,73.95 76.39,73.74 76.39,71.7 76.65,71.44 76.95,71.44 R1322.2 77.61,71.44 77.78,71.44 v1(77.95,71.26)
WIFI_PCIE_CLKP: length 27.4
  TOP w0.114: v1(74.74,87.92) 75.1,87.92 C1301.1 ; R1333.2 79.19,71.69 78.94,71.69 R1340.1 78.42,71.69 78.13,71.69 v1(77.95,71.87) 77.76,71.67 77.67,71.67 C1313.2 ; R1338.2 76.14,74.23 75.89,74.23 v1(75.71,74.41)
  BOTTOM w0.114: v1(74.74,87.92) 74.85,87.81 75.52,87.81 76.64,86.68 76.64,78.42 74.23,76.01 74.23,74.34 74.43,74.13 74.62,74.13 R1325.1 75.32,74.18 75.49,74.18 v1(75.71,74.41) 75.92,74.21 76.29,74.21 76.64,73.85 76.64,71.81 76.76,71.69 76.92,71.69 R1323.2 77.63,71.69 77.78,71.69 v1(77.95,71.87)
WIFI_PCIE_NCLKREQ: length 24.3
  TOP w0.107: v1(71.31,80.07) 71.94,79.44 77.15,79.44 79.62,81.91 U1301.39
  BOTTOM w0.107: R1357.2 69.53,72.45 R1343.2 ; R1343.2 68.77,76.64 71.31,79.18 v1(71.31,80.07) ; R1343.2 68.65,72.33 D1303.C
WL_NPERST: length 59.8
  TOP w0.107: U1301.41 80.62,82.53 v1(80.58,82.49) ; U101.C6 v2(53.32,56.48)
  L6_INT_2 w0.076: v1(80.58,82.49) 81.05,82.02 83.42,82.02 83.67,81.76 83.67,80.58 82.27,79.18 81.34,79.18 80.96,78.8 80.96,78.42 79.44,76.9 79.44,72.45 81.72,70.17 81.72,69.02 82.23,68.52 82.23,64.58 81.53,63.88 80.26,63.88 77.91,61.53 74.1,61.53 68.77,56.2 66.86,56.2 66.48,56.58 59.5,56.58 58.62,57.46 53.14,57.46 53,57.32 53,56.98 53.32,56.66 v2(53.32,56.48)
